# Allegro board MinnowMax_RevA1.brd (continued)
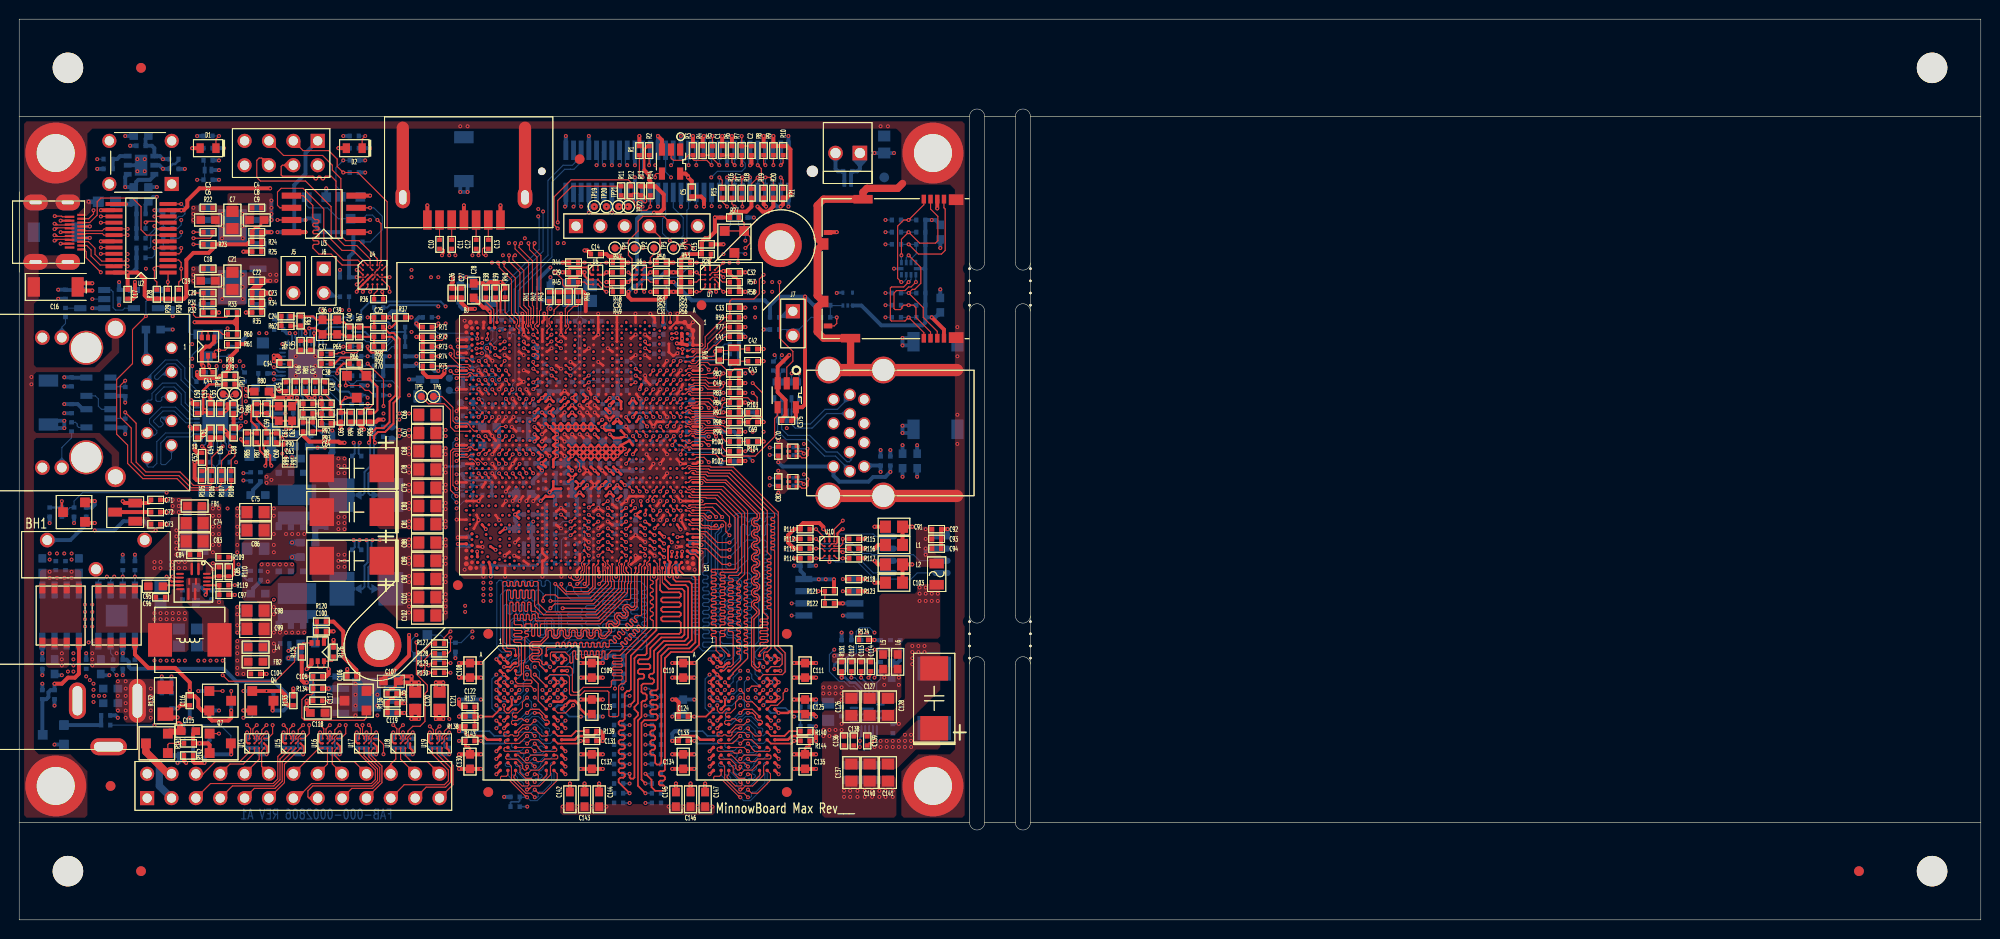
[diagram p0: board, top side]
## Placement (name value [footprint] x y rotation side) (continued)
C297  22uF  [C0805]  24.64 38.73 0 bottom
C298  22uF  [C0805]  18.29 38.73 0 bottom
C299  10uF  [C0603]  6.22 36.96 270 bottom
C300  0.1uF  [C0402]  4.83 36.96 270 bottom
C301  0.1uF  [C0402]  3.81 36.96 270 bottom
C302  10uF  [C0603]  2.41 36.96 270 bottom
C303  22uF  [C0805]  42.55 33.66 0 bottom
C304  22uF  [C0805]  42.55 31.75 0 bottom
C305  22uF  [C0805]  24.64 32.26 0 bottom
C306  0.1uF  [C0402]  20.07 33.91 270 bottom
C307  0.1uF  [C0402]  17.02 33.91 270 bottom
C308  22uF  [C0805]  14.73 33.91 270 bottom
C309  0.1uF  [C0402]  91.82 28.7 270 bottom
C310  100pF  [C0402]  89.79 28.7 90 bottom
C311  0.1uF  [C0402]  27.69 28.83 180 bottom
C312  22uF  [C0805]  24.64 30.35 0 bottom
C313  22uF  [C0805]  24.64 28.45 0 bottom
C314  22uF  [C0805]  20.45 29.46 90 bottom
C315  22uF  [C0805]  18.54 29.46 90 bottom
C316  22uF  [C0805]  16.64 29.46 90 bottom
C317  22uF  [C0805]  14.73 29.46 90 bottom
C318  0.47uF  [C0603]  81.92 26.04 90 bottom
C319  0.47uF  [C0603]  69.22 26.04 90 bottom
C320  0.1uF  [C0402]  62.48 27.56 180 bottom
C321  0.47uF  [C0603]  59.69 26.04 90 bottom
C322  0.47uF  [C0603]  46.99 26.04 90 bottom
C323  0.1uF  [C0402]  10.79 26.67 90 bottom
C324  10uF  [C0603]  8.51 26.42 90 bottom
C325  0.22uF  [C0402]  6.99 26.67 270 bottom
C326  10uF  [C0603]  3.68 26.42 90 bottom
C327  0.1uF  [C0402]  85.72 21.72 90 bottom
C328  22uF  [C0805]  84.33 21.72 90 bottom
C329  0.1uF  [C0402]  81.92 22.23 0 bottom
C330  0.47uF  [C0603]  69.22 22.23 90 bottom
C331  3.3PF  [C0402]  62.48 24.77 180 bottom
C332  0.1uF  [C0402]  59.69 21.21 0 bottom
C333  0.47uF  [C0603]  46.99 22.23 90 bottom
C334  22uF  [C0805]  43.81 22.86 90 bottom
C335  10uF  [C0603]  41.27 22.86 270 bottom
C336  10uF  [C0603]  31.11 21.59 0 bottom
C337  0.1uF  [C0402]  15.88 24.13 270 bottom
C338  1.0uF  [C0402]  15.88 21.59 270 bottom
C339  0.1uF  [C0402]  14.86 24.13 270 bottom
C340  1.0uF  [C0402]  9.02 21.34 0 bottom
C341  1.0uF  [C0402]  2.41 23.5 270 bottom
C342  0.22uF  [C0402]  91.06 19.94 270 bottom
C343  0.1uF  [C0402]  85.72 18.67 270 bottom
C344  0.1uF  [C0402]  69.22 18.67 180 bottom
C345  0.1uF  [C0402]  59.69 18.67 0 bottom
C346  0.1uF  [C0402]  43.81 18.41 90 bottom
C347  0.1uF  [C0402]  42.8 18.41 90 bottom
C348  0.1uF  [C0402]  40.01 18.41 90 bottom
C349  0.1uF  [C0402]  38.99 18.41 90 bottom
C350  0.1uF  [C0402]  36.2 18.41 90 bottom
C351  0.1uF  [C0402]  35.18 18.41 90 bottom
C352  0.1uF  [C0402]  32.38 18.41 90 bottom
C353  0.1uF  [C0402]  31.37 18.41 90 bottom
C354  0.1uF  [C0402]  28.57 18.41 90 bottom
C355  0.1uF  [C0402]  27.56 18.41 90 bottom
C356  0.1uF  [C0402]  24.77 18.41 90 bottom
C357  0.1uF  [C0402]  23.75 18.41 90 bottom
C358  4700PF  [C0402]  17.65 18.41 180 bottom
C359  10uF  [C0603]  90.81 15.37 90 bottom
C360  10uF  [C0603]  89.41 15.37 270 bottom
C361  10uF  [C0603]  87.63 15.37 90 bottom
C362  10uF  [C0603]  86.23 15.37 90 bottom
C363  0.47uF  [C0603]  81.92 16.51 270 bottom
C364  0.47uF  [C0603]  69.22 16.51 270 bottom
C365  0.47uF  [C0603]  59.69 16.51 270 bottom
C366  0.47uF  [C0603]  46.99 16.51 270 bottom
C367  10uF  [C0603]  17.65 17.14 180 bottom
C368  0.47uF  [C0603]  71.5 12.57 90 bottom
C369  0.47uF  [C0603]  69.98 12.57 90 bottom
C370  0.47uF  [C0603]  68.45 12.57 90 bottom
C371  0.47uF  [C0603]  60.45 12.57 90 bottom
C372  0.47uF  [C0603]  58.93 12.57 90 bottom
C373  0.47uF  [C0603]  57.4 12.57 90 bottom
C374  10pF  [C0402]  51.69 12.83 0 bottom
C375  0.1uF  [C0402]  80.01 52.07 0 top
CHOKE1  ACM2012-900  [CHOKE4_0805]  80.9 55.25 90 bottom
CHOKE2  ACM2012-900  [CHOKE4_0805]  79.12 55.25 270 bottom
CHOKE3  ACM2012-900  [CHOKE4_0805]  80.01 48.89 0 bottom
CHOKE4  ACM2012-900  [CHOKE4_0805]  80.01 45.72 0 bottom
CPU1  BAYTRAIL_I  [FCBGA-1170]  58.42 49.53 90 top
D1  LTST-C191TBKT  [LED_0603]  19.68 80.52 180 top
D2  LTST-C191TBKT  [LED_0603]  34.92 80.52 180 top
D3  BAT54A-S  [BAT54_132_2]  74.55 70.74 180 top
D4  BAT54A-S  [BAT54_132_2]  35.18 55.63 180 top
D5  BAT54C-S  [BAT54_132_2]  5.71 42.55 90 top
D6  BAT54A-S  [BAT54_132_2]  20.95 22.86 270 top
D7  D5V0L1B2LP-7B  [2-XFDFN]  86.36 76.83 0 bottom
D8  BAT54C-S  [BAT54_132_2]  34.54 74.3 0 bottom
D9  D5V0L1B2LP-7B  [2-XFDFN]  19.68 78.23 180 bottom
D10  BAT54C-S  [BAT54_132_2]  74.55 70.74 0 bottom
D11  BAT54A-S  [BAT54_132_2]  19.68 59.94 0 bottom
D12  BAT54A-S  [BAT54_132_2]  42.55 28.57 180 bottom
F1  FUSE-2A-08-LR-X  [FUSE_0805]  95.63 36.07 90 top
FB1  FB_120R_3A  [FB0603]  18.29 43.18 0 top
FB2  FB_120R_3A  [FB0603]  24.64 26.92 180 top
FB3  FB_600R_1.3A  [FB0603]  55.37 65.41 270 bottom
FB4  FB_120R_3A  [FB0603]  47.5 65.41 270 bottom
FB5  FB_120R_3A  [FB0603]  45.97 65.41 270 bottom
FB6  FB_120R_3A  [FB0603]  13.97 61.59 180 bottom
FB7  0R00  [R0603]  49.02 51.44 0 bottom
FB8  0R00  [R0603]  25.4 51.44 0 bottom
FB9  0R00  [R0603]  93.6 47.88 270 bottom
FB10  0R00  [R0603]  92.08 47.88 270 bottom
FB11  FB_120R_3A  [FB0603]  18.29 42.55 0 bottom
FB12  0R0  [R0402]  85.72 28.7 270 bottom
H1  MHOLE  [MTGH250C156D_PL]  3.81 80.01 0 top
H2  MHOLE  [MTGH250C156D_PL]  95.25 80.01 0 top
H3  MHOLE  [MTGH250C156D_PL]  3.81 13.97 0 top
H4  MHOLE  [MTGH250C156D_PL]  95.25 13.97 0 top
J1  HEADER 4x2  [HDR2X4]  31.11 81.28 270 top
J2  SIP2_FAN  [WALL2_100LS]  87.63 80.01 0 top
J3  0470804005  [SATA_RA]  46.35 73.03 90 top
J4  SIP6_RA  [SIP6]  58.04 72.39 90 top
J5  JUMPER  [SIP2]  28.57 67.94 0 top
J6  JUMPER  [SIP2]  31.75 67.94 0 top
J7  JUMPER  [SIP2]  80.64 63.5 0 top
J8  RJ-45 Gigabit  [6605814-6]  15.88 59.69 270 top
J9  -  [RAPC712]  12.32 22.86 0 top
J10  5177985-2  [SMT-5177985-2]  68.58 78.1 180 bottom
JP1  HDR-26  [HDR2X13]  13.34 12.7 0 top
L1  BKP2125HS221-T  [FB0805]  91.19 39.12 0 top
L2  BKP2125HS221-T  [FB0805]  91.19 37.08 0 top
L3  PIND-2.2U-SMD-0603-8A-MAG  [CHOKE_PT6D2MM_SMD_2P]  17.78 29.21 180 top
L4  FB_120R_3A  [FB0603]  24.64 28.45 180 top
L5  FB_120R_3A  [FB0603]  90.04 26.92 270 top
L6  FB_120R_3A  [FB0603]  91.57 26.92 270 top
L7  FB_220R_2.2A  [SM-7351-IND-0603]  9.14 74.93 180 bottom
L8  IND-4.7U-S-X  [CHOKE_NLC252018_SMD_2P]  25.15 49.15 0 bottom
L9  0.33uH  [CHOKE_PT5D1MM_SMD]  36.2 44.32 0 bottom
L10  0.33uH  [CHOKE_PT5D1MM_SMD]  36.2 34.54 0 bottom
L11  PIND-1U-SMD-0603-11A-MAG-X  [CHOKE_PT6D2MM_SMD_2P]  95.38 23.11 270 bottom
L12  FB_120R_3A  [FB0603]  9.53 24.13 0 bottom
L13  FB_120R_3A  [FB0603]  9.53 22.61 0 bottom
LAN1  RTL8111GS-CG-X  [QFN32_PT04_NCP81102]  20.45 52.07 0 bottom
MEM1  MICRON MT41K256M16HA  [FBGA96_DDR3]  53.34 21.59 0 top
MEM2  MICRON MT41K256M16HA  [FBGA96_DDR3#2]  75.56 21.59 0 top
MEM3  MICRON MT41K256M16HA  [FBGA96_DDR3]  75.56 21.59 180 bottom
MEM4  MICRON MT41K256M16HA  [FBGA96_DDR3#2]  53.34 21.59 180 bottom
NOREF  -  [unnamed]  5.08 5.08 0 top
NOREF#2  -  [#2]  0 0 0 top
NOREF#3  -  [unnamed#3]  191.77 5.08 0 top
NOREF#4  -  [#2]  5.08 5.08 0 top
NOREF#5  -  [#2]  -22.86 10.16 90 top
NOREF#6  -  [unnamed]  199.39 88.9 0 top
NOREF#7  -  [#2]  99.06 66.04 0 top
NOREF#8  -  [#2]  0 10.16 0 top
NOREF#9  -  [unnamed]  199.39 5.08 0 top
NOREF#10  -  [#2]  199.39 5.08 0 top
NOREF#11  -  [#2]  0 83.82 0 top
NOREF#12  -  [unnamed#3]  12.7 88.9 0 top
NOREF#13  -  [unnamed#3]  9.53 13.97 0 top
NOREF#14  -  [unnamed#4]  105.41 29.21 270 top
NOREF#15  -  [#2]  0 -25.4 0 top
NOREF#16  -  [#2]  5.08 5.08 0 top
NOREF#17  -  [unnamed#4]  99.06 66.04 90 top
NOREF#18  -  [#2]  0 93.98 0 top
NOREF#19  -  [#2]  5.08 88.9 0 top
NOREF#20  -  [#2]  105.41 10.16 0 top
NOREF#21  -  [unnamed#4]  105.41 66.04 270 top
NOREF#22  -  [#2]  99.06 29.21 0 top
NOREF#23  -  [#2]  158.92 83.82 0 top
NOREF#24  -  [#2]  0 -39.37 0 top
NOREF#25  -  [unnamed#3]  12.7 5.08 0 top
NOREF#26  -  [unnamed#3]  58.42 79.38 0 top
NOREF#27  -  [#2]  203.84 -114.94 0 top
NOREF#28  -  [#2]  99.69 66.04 0 top
NOREF#29  -  [unnamed#5]  58.42 49.53 135 top
NOREF#30  -  [#2]  26.67 -99.7 0 top
NOREF#31  -  [#2]  99.06 10.16 0 top
NOREF#32  -  [#2]  -25.4 0 90 top
NOREF#33  -  [#2]  -367.67 -255.91 0 top
NOREF#34  -  [#2]  0 0 0 top
NOREF#35  -  [unnamed#4]  99.06 29.21 90 top
NOREF#36  -  [unnamed]  5.08 88.9 0 top
NOREF#37  -  [#2]  204.47 0 0 top
NOREF#38  -  [#2]  -367.54 -255.83 0 top
NOREF#39  -  [unnamed#3]  12.7 5.08 180 bottom
NOREF#40  -  [unnamed#3]  9.53 13.97 180 bottom
NOREF#41  -  [unnamed#3]  90.17 77.47 180 bottom
NOREF#42  -  [unnamed#3]  12.7 88.9 180 bottom
NOREF#43  -  [unnamed#3]  191.77 5.08 180 bottom
P1  microHDMI_TH  [CONN19_HDMI-1]  1.71 71.75 270 top
P2  SCHA5B0200  [SD-MICRO-SCHA5B0300]  94.3 67.94 90 top
Q1  MBT3904  [SOT-363]  19.68 59.82 0 top
Q2  BAV99-7-F-S-X  [SOT23_3L]  11.05 42.55 90 top
Q3  MBT3904  [SOT-363]  31.11 27.94 180 top
Q4  MMBT3904  [SOT23_EBC]  25.4 22.86 270 top
Q5  RXR035N03  [SOT23_GDS_2]  35.05 22.86 90 top
Q6  RXR035N03  [SOT23_GDS_2]  14.35 18.41 90 top
Q7  2N7002K  [SOT23_GSD]  20.95 18.41 270 top
Q8  BSS138  [SOT23_GSD]  30.99 74.3 0 bottom
Q9  BAV99-7-F-S-X  [SOT23_3L]  11.05 42.55 270 bottom
Q10  2N7002K  [SOT23_GSD]  25.4 22.86 90 bottom
Q11  2N7002K  [SOT23_GSD]  20.95 22.86 90 bottom
Q12  2N7002K  [SOT23_GSD]  20.95 18.41 90 bottom
Q13  RXR035N03  [SOT23_GDS_2]  14.35 18.41 270 bottom
Q14  2N7002K  [SOT23_GSD]  3.56 19.3 270 bottom
R1  2K20  [R0402]  64.64 80.26 90 top
R2  10K0  [R0402]  65.66 80.26 90 top
R3  200R  [R0402]  70.23 80.26 90 top
R4  4K70  [R0402]  71.25 80.26 270 top
R5  0R0  [R0402]  72.26 80.26 90 top
R6  1K00  [R0402]  74.3 80.26 90 top
R7  1K00  [R0402]  75.31 80.26 270 top
R8  51R0  [R0402]  77.6 80.26 270 top
R9  51R0  [R0402]  78.61 80.26 270 top
R10  51R0  [R0402]  79.63 80.26 270 top
R11  22R0  [R0402]  62.74 76.07 270 top
R12  22R0  [R0402]  63.75 76.07 270 top
R13  10K0  [R0402]  64.77 76.07 90 top
R14  10K0  [R0402]  65.79 76.07 90 top
R15  1K00  [R0402]  73.28 75.82 90 top
R16  1K00  [R0402]  74.3 75.82 90 top
R17  1K00  [R0402]  75.31 75.82 90 top
R18  0R0  [R0402]  76.33 75.82 90 top
R19  51R0  [R0402]  77.6 75.82 90 top
R20  0R0  [R0402]  78.61 75.82 90 top
R21  51R0  [R0402]  79.63 75.82 90 top
R22  0R0  [R0402]  19.68 71.75 180 top
R23  4K70  [R0402]  19.68 70.48 180 top
R24  12K1  [R0402]  24.77 70.74 0 top
R25  9K53  [R0402]  24.77 69.72 0 top
R26  0R0  [R0402]  71.63 69.47 180 top
R27  2K20  [R0402]  74.55 73.28 180 top
R28  10K0  [R0402]  14.35 65.28 270 top
R29  10K0  [R0402]  15.49 65.28 270 top
R30  10K0  [R0402]  16.64 65.28 270 top
R31  10K0  [R0402]  19.68 64.39 180 top
R32  4K70  [R0402]  19.68 63.37 180 top
R33  4K70  [R0402]  22.23 63.37 180 top
R34  6K04  [R0402]  24.77 64.39 180 top
R35  23K7  [R0402]  24.77 63.37 180 top
R36  0R0  [R0402]  37.47 64.77 0 top
R37  10R0  [R0402]  39.75 62.86 0 top
R38  150R  [R0402]  48.64 65.41 90 top
R39  150R  [R0402]  49.66 65.41 90 top
R40  357R  [R0402]  50.65 65.43 90 top
R41  0R0  [R0402]  55.24 65.02 270 top
R42  0R0  [R0402]  56.26 65.02 270 top
R43  0R0  [R0402]  57.28 65.02 90 top
R44  2K20  [R0402]  57.78 68.58 180 top
R45  2K20  [R0402]  57.78 66.55 0 top
R46  0R0  [R0402]  58.29 65.02 90 top
R47  2K20  [R0402]  62.36 68.58 0 top
R48  0R0  [R0402]  62.36 67.56 0 top
R49  2K20  [R0402]  62.36 65.53 180 top
R50  100K  [R0402]  66.93 68.58 180 top
R51  0R0  [R0402]  66.93 67.56 0 top
R52  2K20  [R0402]  66.93 66.55 0 top
R53  2K20  [R0402]  69.47 68.58 0 top
R54  2K20  [R0402]  69.47 67.56 0 top
R55  10K0  [R0402]  69.47 66.55 180 top
R56  2K20  [R0402]  69.47 65.53 0 top
R57  2K20  [R0402]  74.55 66.55 180 top
R58  2K20  [R0402]  74.55 65.53 0 top
R59  0R0  [R0402]  74.55 62.86 0 top
R60  20K0  [R0402]  22.23 61.09 180 top
R61  20K0  [R0402]  22.23 60.07 180 top
R62  649R  [R0402]  27.81 61.98 180 top
R63  3K57  [R0402]  29.34 62.48 90 top
R64  10R0  [R0402]  29.34 59.94 90 top
R65  0R0  [R0402]  34.92 59.82 180 top
R66  0R0  [R0402]  34.92 58.04 180 top
R67  11K0  [R0402]  35.43 61.34 270 top
R68  1R00  [R0402]  37.47 61.85 0 top
R69  1K00  [R0402]  37.47 60.83 0 top
R70  2K55  [R0402]  37.47 59.82 180 top
R71  10K0  [R0402]  42.55 61.85 180 top
R72  0R0  [R0402]  42.55 60.83 180 top
R73  0R0  [R0402]  42.55 59.82 0 top
R74  0R0  [R0402]  42.55 58.8 0 top
R75  10K0  [R0402]  42.55 57.78 0 top
R76  10M0  [R0402]  73.03 58.93 270 top
R77  45R3  [R0402]  74.55 61.85 180 top
R78  1K00  [R0402]  21.97 56.77 180 top
R79  15K  [R0402]  21.97 55.88 180 top
R80  1R00  [R0603]  25.27 55.12 180 top
R81  10R0  [R0402]  29.84 55.63 270 top
R82  100K  [R0402]  74.55 57.02 0 top
R83  10K0  [R0402]  74.55 54.99 0 top
R84  10K0  [R0402]  74.55 53.97 180 top
R85  2K61  [R0402]  23.75 50.29 90 top
R86  11K0  [R0402]  24.77 53.34 90 top
R87  1K00  [R0402]  24.77 50.29 270 top
R88  1R00  [R0402]  25.78 50.29 270 top
R89  10R0  [R0402]  29.59 51.44 270 top
R90  200R  [R0402]  30.1 53.85 180 top
R91  0R0  [R0402]  30.61 51.44 90 top
R92  2K32  [R0402]  32 53.85 180 top
R93  3K32  [R0402]  32 52.83 180 top
R94  1K00  [R0402]  34.54 52.45 270 top
R95  1K91  [R0402]  35.56 52.45 270 top
R96  1K91  [R0402]  36.58 52.45 270 top
R97  10K0  [R0402]  74.55 52.96 180 top
R98  0R0  [R0402]  74.55 51.94 180 top
R99  0R0  [R0402]  74.55 50.93 180 top
R100  20R0  [R0402]  74.55 49.91 0 top
R101  16R9  [R0402]  74.55 48.89 0 top
R102  10K0  [R0402]  74.55 47.88 180 top
R103  0R0  [R0402]  76.45 52.96 180 top
R104  69R8  [R0402]  76.45 49.91 0 top
R105  2K49  [R0402]  19.05 46.36 90 top
R106  330R  [R0402]  20.07 46.36 270 top
R107  0R0  [R0402]  21.08 46.36 270 top
R108  0R0  [R0402]  22.1 46.36 270 top
R109  499K  [R0402]  21.34 37.85 180 top
R110  499K  [R0402]  21.84 36.32 270 top
R111  2K20  [R0402]  81.92 40.77 180 top
R112  10K0  [R0402]  81.92 39.75 180 top
R113  2K20  [R0402]  81.92 38.73 180 top
R114  10K0  [R0402]  81.92 37.72 180 top
R115  2K20  [R0402]  87 39.75 180 top
R116  10K0  [R0402]  87 38.73 0 top
R117  2K20  [R0402]  87 37.72 180 top
R118  10K0  [R0402]  87 35.56 180 top
R119  100K  [R0402]  21.34 34.92 180 top
R120  10K0  [R0402]  31.5 31.11 180 top
R121  0R0  [R0402]  84.45 34.29 0 top
R122  0R0  [R0402]  84.45 33.02 0 top
R123  10K0  [R0402]  87 34.29 180 top
R124  10K0  [R0402]  88.01 29.21 0 top
R125  4K70  [R0402]  29.46 27.94 90 top
R126  4K70  [R0402]  32.77 27.94 270 top
R127  0R0  [R0402]  43.81 28.83 0 top
R128  0R0  [R0402]  43.81 27.81 0 top
R129  0R0  [R0402]  43.81 26.8 0 top
R130  0R0  [R0402]  43.81 25.78 0 top
R131  121K  [R0402]  85.72 26.42 270 top
R132  2R20  [R1206]  15.24 22.86 90 top
R133  10K0  [R0402]  28.57 22.86 270 top
R134  1K00  [R0402]  31.11 24.13 180 top
R135  143K  [R0402]  38.86 23.62 0 top
R136  40K2  [R0402]  38.86 22.61 0 top
R137  4K70  [R0402]  46.99 21.21 0 top
R138  4K70  [R0402]  46.99 20.19 0 top
R139  240R  [R0402]  59.69 19.69 0 top
R140  240R  [R0402]  81.92 19.69 0 top
R141  200K  [R0402]  17.65 18.41 180 top
R142  33K0  [R0402]  17.65 17.14 180 top
R143  4K70  [R0402]  46.99 18.67 0 top
R144  4K70  [R0402]  81.92 18.67 180 top
R145  0R01  [R0805]  90.17 80.9 270 bottom
R146  4K75  [R0402]  34.92 81.79 0 bottom
R147  100K  [R0402]  34.92 79.25 180 bottom
R148  4K75  [R0402]  19.68 81.79 0 bottom
R149  4K70  [R0402]  19.68 79.25 0 bottom
R150  12K1  [R0402]  16.13 79.38 180 bottom
R151  0R0  [R0402]  9.27 79.38 0 bottom
R152  10K0  [R0402]  34.92 77.98 180 bottom
R153  27K4  [R0402]  16.13 78.36 0 bottom
R154  100K  [R0402]  12.7 73.66 0 bottom
R155  100K  [R0402]  93.98 73.03 0 bottom
R156  100K  [R0402]  93.98 71.75 0 bottom
R157  100K  [R0402]  93.98 70.48 0 bottom
R158  33R0  [R0402]  91.44 73.03 180 bottom
R159  33R0  [R0402]  91.44 71.75 180 bottom
R160  33R0  [R0402]  91.44 70.48 180 bottom
R161  20K0  [R0402]  75.44 73.28 0 bottom
R162  1K00  [R0402]  73.66 73.28 180 bottom
R163  10K0  [R0402]  35.31 71.75 0 bottom
R164  10K0  [R0402]  35.31 70.74 0 bottom
R165  10K0  [R0402]  28.19 73.03 180 bottom
R166  0R0  [R0402]  15.49 72.14 0 bottom
R167  0R0  [R0402]  15.49 71.12 0 bottom
R168  0R0  [R0402]  15.49 70.1 0 bottom
R169  10K0  [R0402]  12.7 72.14 180 bottom
R170  10K0  [R0402]  12.7 71.12 180 bottom
R171  2K20  [R0402]  12.7 70.1 0 bottom
R172  2K20  [R0402]  12.7 69.09 0 bottom
R173  100K  [R0402]  93.98 65.41 0 bottom
R174  100K  [R0402]  93.98 64.14 0 bottom
R175  33R0  [R0402]  91.44 65.41 180 bottom
R176  33R0  [R0402]  91.44 64.14 180 bottom
R177  2K20  [R0402]  62.36 65.53 180 bottom
R178  0R0  [R0402]  37.47 63.88 180 bottom
R179  220R  [R0402]  33.91 65.02 180 bottom
R180  100K  [R0402]  93.98 62.86 0 bottom
R181  33R0  [R0402]  91.44 62.86 180 bottom
R182  100K  [R0402]  84.07 64.14 0 bottom
R183  10K0  [R0402]  78.74 62.86 0 bottom
R184  402R  [R0402]  78.74 61.59 0 bottom
R185  45R3  [R0402]  74.55 61.09 180 bottom
R186  1K00  [R0402]  74.55 60.07 180 bottom
R187  1K00  [R0402]  74.55 59.06 180 bottom
R188  1M00  [R0402]  58.42 62.48 180 bottom
R189  10K0  [R0402]  46.74 58.55 0 bottom
R190  10K0  [R0402]  42.55 62.86 180 bottom
R191  10K0  [R0402]  42.55 61.85 180 bottom
R192  0R0  [R0402]  42.55 60.83 180 bottom
R193  2K70  [R0402]  39.75 61.85 0 bottom
R194  33K0  [R0402]  39.75 60.83 180 bottom
R195  169K  [R0402]  39.75 58.8 180 bottom
R196  200R  [R0402]  37.47 60.83 0 bottom
R197  69R8  [R0402]  37.47 58.8 0 bottom
R198  6K98  [R0402]  35.69 60.33 270 bottom
R199  0R0  [R0402]  35.18 62.86 180 bottom
R200  3K60  [R0402]  35.18 61.85 0 bottom
R201  16R9  [R0402]  35.18 58.8 180 bottom
R202  18K7  [R0402]  32 62.86 180 bottom
R203  3K83  [R0402]  30.1 62.86 180 bottom
R204  0R00  [R0603]  27.56 62.86 180 bottom
R205  0R00  [R0805]  25.4 59.31 90 bottom
R206  200K  [R0402]  21.97 59.31 90 bottom
R207  220R  [R0402]  4.83 63.37 270 bottom
R208  1K00  [R0402]  74.55 58.04 0 bottom
R209  10K0  [R0402]  74.55 57.02 180 bottom
R210  10K0  [R0402]  74.55 56.01 180 bottom
R211  10K0  [R0402]  74.55 54.99 180 bottom
R212  1K24  [R0402]  62.87 58.29 180 bottom
R213  150R  [R0402]  62.87 57.28 180 bottom
R214  47R5  [R0402]  60.83 57.28 0 bottom
R215  4K02  [R0402]  60.83 56.26 0 bottom
R216  0R0  [R0402]  58.67 55.63 90 bottom
R217  402R  [R0402]  54.74 57.53 270 bottom
R218  402R  [R0402]  54.23 55.63 90 bottom
R219  10K0  [R0402]  46.74 57.53 0 bottom
R220  10K0  [R0402]  46.74 56.52 0 bottom
R221  10K0  [R0402]  46.74 55.5 0 bottom
R222  0R00  [R0603]  42.55 56.39 0 bottom
R223  69R8  [R0402]  37.47 57.78 0 bottom
R224  69R8  [R0402]  37.47 56.77 0 bottom
R225  12K1  [R0402]  37.47 55.75 180 bottom
R226  37K4  [R0402]  37.47 54.74 0 bottom
R227  0R0  [R0402]  35.18 57.78 180 bottom
R228  20R0  [R0402]  35.18 56.77 180 bottom
R229  3K83  [R0402]  35.18 54.74 180 bottom
R230  0R00  [R0603]  25.4 55.5 180 bottom
R231  10K0  [R0402]  19.43 56.64 270 bottom
R232  0R0  [R0402]  18.96 56.17 0 bottom
R233  1K00  [R0402]  74.55 53.97 0 bottom
R234  1K00  [R0402]  74.55 52.96 0 bottom
R235  0R0  [R0402]  74.55 51.94 180 bottom
R236  2K20  [R0402]  70.1 52.96 0 bottom
R237  10K0  [R0402]  70.1 51.94 0 bottom
R238  49R9  [R0402]  70.1 50.93 0 bottom
R239  402R  [R0402]  53.21 53.72 180 bottom
R240  49R9  [R0402]  51.05 53.72 180 bottom
R241  49R9  [R0402]  48.9 53.72 0 bottom
R242  49R9  [R0402]  46.74 52.58 180 bottom
R243  0R0  [R0402]  37.47 51.44 180 bottom
R244  18K7  [R0402]  35.69 53.34 90 bottom
R245  6K98  [R0402]  34.67 53.34 90 bottom
R246  80K6  [R0402]  34.16 51.82 180 bottom
R247  30K0  [R0402]  31.62 52.2 270 bottom
R248  0R0  [R0402]  30.61 53.34 90 bottom
R249  649R  [R0402]  29.59 53.34 270 bottom
R250  3K01  [R0402]  28.57 53.34 270 bottom
R251  0R00  [R0603]  25.4 54.17 180 bottom
R252  220R  [R0402]  5.46 51.44 270 bottom
R253  1K00  [R0402]  74.55 49.91 0 bottom
R254  10K0  [R0402]  74.55 48.89 0 bottom
R255  73R2  [R0402]  70.1 49.91 0 bottom
R256  20K0  [R0402]  66.42 49.78 0 bottom
R257  2K20  [R0402]  64.39 47.88 0 bottom
R258  49R9  [R0402]  46.74 49.53 0 bottom
R259  1K00  [R0402]  46.74 48.51 0 bottom
R260  10K0  [R0402]  46.74 47.5 180 bottom
R261  0R0  [R0402]  37.47 50.42 180 bottom
R262  NTC-10K  [R0402]  35.18 48.39 0 bottom
R263  0R00  [R0603]  30.1 48.13 0 bottom
R264  1M00  [R0402]  20.45 48.77 0 bottom
R265  0R00  [R0603]  56.9 44.45 180 bottom
R266  10K0  [R0402]  48.77 45.34 0 bottom
R267  10K0  [R0402]  48.77 44.32 0 bottom
R268  10K0  [R0402]  46.74 46.48 180 bottom
R269  22R0  [R0402]  46.74 45.34 0 bottom
R270  22R0  [R0402]  46.74 44.32 0 bottom
R271  2R20  [R0603]  24.89 44.32 0 bottom
R272  NTC-470K  [R0402]  24.13 46.23 270 bottom
R273  100K  [R0402]  55.37 42.29 0 bottom
R274  100K  [R0402]  55.37 41.27 0 bottom
R275  0R00  [R0603]  52.58 40.77 0 bottom
R276  10K0  [R0402]  32 41.4 270 bottom
R277  0R00  [R0603]  30.1 39.37 0 bottom
R278  1K00  [R0402]  6.99 42.55 90 bottom
R279  20K0  [R0402]  4.45 42.55 270 bottom
R280  23R2  [R0402]  57.66 38.23 0 bottom
R281  162R  [R0402]  57.66 37.21 0 bottom
R282  4K70  [R0402]  55.37 39.24 180 bottom
R283  4K70  [R0402]  55.37 38.23 0 bottom
R284  29R4  [R0402]  55.37 37.21 0 bottom
R285  NTC-10K  [R0402]  35.18 38.61 0 bottom
R286  0R00  [R0603]  30.1 37.85 0 bottom
R287  NTC-470K  [R0402]  24.13 35.94 90 bottom
R288  1K00  [R0402]  12.06 36.96 90 bottom
R289  1K00  [R0402]  10.79 36.96 90 bottom
R290  2R20  [R0603]  24.89 34.04 0 bottom
R291  4R70  [R0603]  18.41 33.91 270 bottom
R292  100K  [R0402]  90.81 28.7 270 bottom
R293  0R0  [R0402]  87.76 28.7 270 bottom
R294  150K  [R0402]  86.74 28.7 90 bottom
R295  10K0  [R0402]  45.47 28.45 270 bottom
R296  10K0  [R0402]  32 31.11 270 bottom
R297  0R00  [R0603]  30.1 28.83 0 bottom
R298  4R70  [R0603]  90.93 26.04 90 bottom
R299  100K  [R0402]  89.79 26.42 270 bottom
R300  0R0  [R0402]  88.77 26.42 270 bottom
R301  100K  [R0402]  87.76 26.42 90 bottom
R302  0R0  [R0402]  86.74 26.42 270 bottom
R303  100K  [R0402]  85.72 26.42 270 bottom
R304  30R0  [R0402]  62.99 26.16 90 bottom
R305  30R0  [R0402]  61.98 26.16 90 bottom
R306  0R0  [R0402]  31.11 25.4 0 bottom
R307  2K20  [R0402]  12.06 26.67 270 bottom
R308  33R0  [R0402]  9.78 26.67 270 bottom
R309  100K  [R0402]  2.41 26.67 270 bottom
R310  4K70  [R0402]  81.92 21.21 180 bottom
R311  36R0  [R0402]  66.42 23.37 0 bottom
R312  36R0  [R0402]  66.42 22.35 0 bottom
R313  36R0  [R0402]  66.42 21.34 0 bottom
R314  36R0  [R0402]  66.42 20.32 0 bottom
R315  36R0  [R0402]  62.48 23.37 180 bottom
R316  36R0  [R0402]  62.48 22.35 180 bottom
R317  36R0  [R0402]  62.48 21.34 180 bottom
R318  36R0  [R0402]  62.48 20.32 180 bottom
R319  10K0  [R0402]  31.11 24.13 180 bottom
R320  10R0  [R0402]  31.11 22.86 180 bottom
R321  1K00  [R0402]  28.57 22.86 90 bottom
R322  100K  [R0402]  17.78 22.86 270 bottom
R323  10K0  [R0402]  9.02 20.32 0 bottom
R324  100K  [R0402]  3.68 23.5 270 bottom
R325  4K70  [R0402]  81.92 20.19 180 bottom
R326  4K70  [R0402]  81.92 18.67 180 bottom
R327  240R  [R0402]  69.22 19.69 180 bottom
R328  36R0  [R0402]  66.42 19.3 0 bottom
R329  36R0  [R0402]  66.42 18.29 0 bottom
R330  36R0  [R0402]  62.48 19.3 180 bottom
R331  36R0  [R0402]  62.48 18.29 180 bottom
R332  240R  [R0402]  46.99 19.69 180 bottom
R333  4K70  [R0402]  46.99 18.67 0 bottom
R334  10K0  [R0402]  44.83 18.41 90 bottom
R335  10K0  [R0402]  41.02 18.41 90 bottom
R336  10K0  [R0402]  37.21 18.41 90 bottom
R337  10K0  [R0402]  33.4 18.41 90 bottom
R338  10K0  [R0402]  29.59 18.41 90 bottom
R339  10K0  [R0402]  25.78 18.41 90 bottom
R340  100K  [R0402]  17.65 19.69 180 bottom
R341  36R0  [R0402]  66.42 17.27 0 bottom
R342  36R0  [R0402]  66.42 16.26 0 bottom
R343  36R0  [R0402]  66.42 15.24 0 bottom
R344  36R0  [R0402]  66.42 14.22 0 bottom
R345  36R0  [R0402]  62.48 17.27 180 bottom
R346  36R0  [R0402]  62.48 16.26 180 bottom
R347  36R0  [R0402]  62.48 15.24 180 bottom
R348  36R0  [R0402]  62.48 14.22 180 bottom
R349  36R0  [R0402]  66.42 13.21 0 bottom
R350  36R0  [R0402]  66.42 12.19 0 bottom
R351  36R0  [R0402]  62.48 13.21 180 bottom
R352  36R0  [R0402]  62.48 12.19 180 bottom
R353  0R0  [R0402]  51.69 11.81 180 bottom
R354  0R0  [R0402]  84.07 62.86 0 bottom
SP1  SHORT-NMNP  [SHORT2-NMNP]  37.34 44.32 0 bottom
SP2  SHORT-NMNP  [SHORT2-NMNP]  35.05 44.32 180 bottom
SP3  SHORT-NMNP  [SHORT2-NMNP]  37.34 34.54 0 bottom
SP4  SHORT-NMNP  [SHORT2-NMNP]  35.05 34.54 180 bottom
SW1  B3F-1000  [SM-SW-SPST-4-4]  15.9 76.78 0 top
TP1  TEST_PAD_1  [TP30-SMD]  62.1 70.1 0 top
TP2  TEST_PAD_1  [TP30-SMD]  64.14 70.1 0 top
TP3  TEST_PAD_1  [TP30-SMD]  66.17 70.1 0 top
TP4  TEST_PAD_1  [TP30-SMD]  68.2 70.1 0 top
TP5  TEST_PAD_1  [TP30-SMD]  41.91 54.61 0 top
TP6  TEST_PAD_1  [TP30-SMD]  43.18 54.61 0 top
TP7  TEST_PAD_1  [TP30-SMD]  70.1 55.5 180 bottom
TP8  TEST_PAD_1  [TP30-SMD]  44.83 56.52 180 bottom
TP9  TEST_PAD_1  [TP30-SMD]  44.83 55.25 180 bottom
TP10  TEST_PAD_1  [TP30-SMD]  70.1 54.1 180 bottom
TP11  TEST_PAD_1  [TP30-SMD]  47.24 53.97 180 bottom
TP12  TEST_PAD_1  [TP30-SMD]  45.97 53.97 180 bottom
TP13  TEST_PAD_1  [TP30-SMD]  38.86 51.44 180 bottom
TP14  TEST_PAD_1  [TP30-SMD]  74.55 47.75 180 bottom
TP15  TEST_PAD_1  [TP30-SMD]  73.15 47.75 180 bottom
TP16  TEST_PAD_1  [TP30-SMD]  38.86 50.17 180 bottom
TP17  TEST_PAD_1  [TP30-SMD]  22.54 54.86 0 top
TP18  TEST_PAD_1  [TP30-SMD]  21.27 54.86 0 top
TP19  TEST_PAD_1  [TP30-SMD]  59.94 74.42 0 top
TP20  TEST_PAD_1  [TP30-SMD]  61.21 74.42 0 top
TP21  TEST_PAD_1  [TP30-SMD]  62.48 74.42 0 top
TP22  TEST_PAD_1  [TP30-SMD]  63.5 74.42 0 top
TP23  TEST_PAD_1  [TP30-SMD]  53.92 58.84 180 bottom
TP24  TEST_PAD_1  [TP30-SMD]  53.92 59.73 180 bottom
U1  SN74AUP1G34  [SOT23-5]  67.94 79.12 180 top
U2  TPD12S016PW  [SSOP24_256P_222LS]  12.7 71.12 90 top
U3  MICRON N25Q064A  [SO8_W200]  31.75 73.66 180 top
U4  TS3A27518EZQS  [BGA24_E5_P5_3X3]  36.83 67.31 0 top
U5  TXS0102YZP  [DSBGA-8]  60.07 67.06 0 top
U6  TXS0102YZP  [DSBGA-8]  64.64 67.06 0 top
U7  TXS0104EYZT  [DSBGA-12]  72.01 67.06 0 top
U8  TPD4S012  [U_6_DRY]  80.64 48.89 90 top
U9  TPD4S012  [U_6_DRY]  80.64 45.72 90 top
U10  TXS0104EYZT  [DSBGA-12]  84.45 38.73 0 top
U11  SK8603190L  [HSO8-F4-B]  4.32 31.75 90 top
U12  SK8603190L  [HSO8-F4-B]  10.16 31.75 90 top
U13  NB670  [FCQFN16_RT7290A_NB669]  18.16 35.31 270 top
U14  TXS0104EYZT  [DSBGA-12]  24.77 18.41 90 top
U15  TXS0104EYZT  [DSBGA-12]  28.57 18.41 90 top
U16  TXS0104EYZT  [DSBGA-12]  32.38 18.41 90 top
U17  TXS0104EYZT  [DSBGA-12]  36.2 18.41 90 top
U18  TXS0104EYZT  [DSBGA-12]  40.01 18.41 90 top
U19  TXS0104EYZT  [DSBGA-12]  43.81 18.41 90 top
U20  NCP606  [DFN6_3X3P3MM]  12.7 78.74 0 bottom
U21  APL5933  [SOP8_W150_PT50-104X120]  22.23 72.39 90 bottom
U22  TPD6E001  [U_10_RSE]  92.71 67.94 180 bottom
U23  TPD2E001  [U_5_DRL]  86.36 64.77 180 bottom
U24  APL5933  [SOP8_W150_PT50-104X120]  22.23 66.04 90 bottom
U25  SN74LVC1G14DBVR  [SOT23-5]  13.21 64.77 270 bottom
U26  74LVC1G08DBVR  [SOT23-5]  7.62 64.77 270 bottom
U27  ISL95837HRZ-T  [QFN40_PT04-92HD89C_1]  29.84 57.78 180 bottom
U28  SN74LVC1G14DBVR  [SOT23-5]  8.26 55.63 270 bottom
U29  TPD4USB30  [FPC_4P10_R_1]  80.01 52.58 0 bottom
U30  74LVC1G08DBVR  [SOT23-5]  8.26 52.32 270 bottom
U31  FDMS3660S  [PQFN8]  28.96 43.81 180 bottom
U32  TPS2066DR  [SO8-25X75]  93.34 38.1 270 bottom
U33  M24C02-WMN6TP-X  [SOP8_W150_PT50]  84.45 33.66 270 bottom
U34  FDMS3660S  [PQFN8]  28.96 33.53 180 bottom
U35  NCT3012S-X  [ESOP8_W150_PT50-90X90]  10.16 31.75 180 bottom
U36  IRF9321  [SOP8_W150_PT50]  4.32 31.75 180 bottom
U37  NB675-X  [QFN21_NB675]  88.39 21.59 180 bottom
U38  APL5912KAC-TRGS-X  [SOP8_W150_PT50_3X2D5MM]  36.2 23.5 270 bottom
U39  SN74LVC1G14DBVR  [SOT23-5]  80.01 54.74 180 top
USB1  DUAL_USB_2.0_3.0  [USB13_DUAL]  88.08 47.3 90 top
Y1  32.768KHz, ABRACON  [2-SMD]  74.55 58.93 270 top
Y2  25.00MHz  [XTAL-FSX3M_4P_SMD]  58.42 65.41 180 bottom
Y3  25.00MHz  [XTAL-FSX3M_4P_SMD]  20.45 45.59 0 bottom

## Library data of the parts
BH1 = BATTERY_2
C1 C3-C5 C17 C18 C20 C22 C38 C41 C65 C70 C82 C84 C85 C92-C94 C96 C100 C104 C105 C112 C114 C122 C124 C131 C133 C139 C153-C155 C158 C191 C192 C202 C203 C212 C234 C235 C237 C254 C275 C277 C287-C291 C293 C300 C301 C306 C309 C311 C320 C323 C327 C329 C332 C337 C339 C343-C345 = C0402: signal model: DEFAULT_CAPACITOR_100000pF_2_1
C2 C26 C27 C33 C97 C113 C117 C160 C163 C170-C172 C174 C181-C183 C193-C200 C213-C223 C236 C239 C242-C246 C255-C266 C271-C274 C276 C285 C286 C292 C340 = C0402: signal model: DEFAULT_CAPACITOR_1e+06pF_2_1
C6 C8 C19 C28 C95 C107 C115 C118 C151 C156 C159 C162 C230 C241 C247 C250 C251 C267 C299 C302 C324 C326 C335 C336 C359-C362 C367 = CAP_10uF_X5R_20%_16V_0603: signal model: DEFAULT_CAPACITOR_1e+07pF_2_1
C7 C21 C66-C68 C74 C75 C78-C81 C83 C86 C88-C91 C98 C99 C101-C103 C120 C121 C126-C128 C137 C140 C141 C248 C249 C268 C269 C278-C282 C294 C295 C297 C298 C303-C305 C308 C312-C317 C328 C334 = C-0805_1: signal model: DEFAULT_CAPACITOR_2.2e+07pF_2_1
C9 C23 = C0402: signal model: DEFAULT_CAPACITOR_150.000000pF_2_1
C10-C13 C177-C180 = CAP_0.1uF_X5R_0.3V_20% 0402: signal model: DEFAULT_CAPACITOR_10000pF_2_1
